# KiCad board RUSP_Mainboard_panelMockup.kicad_pcb (continued)
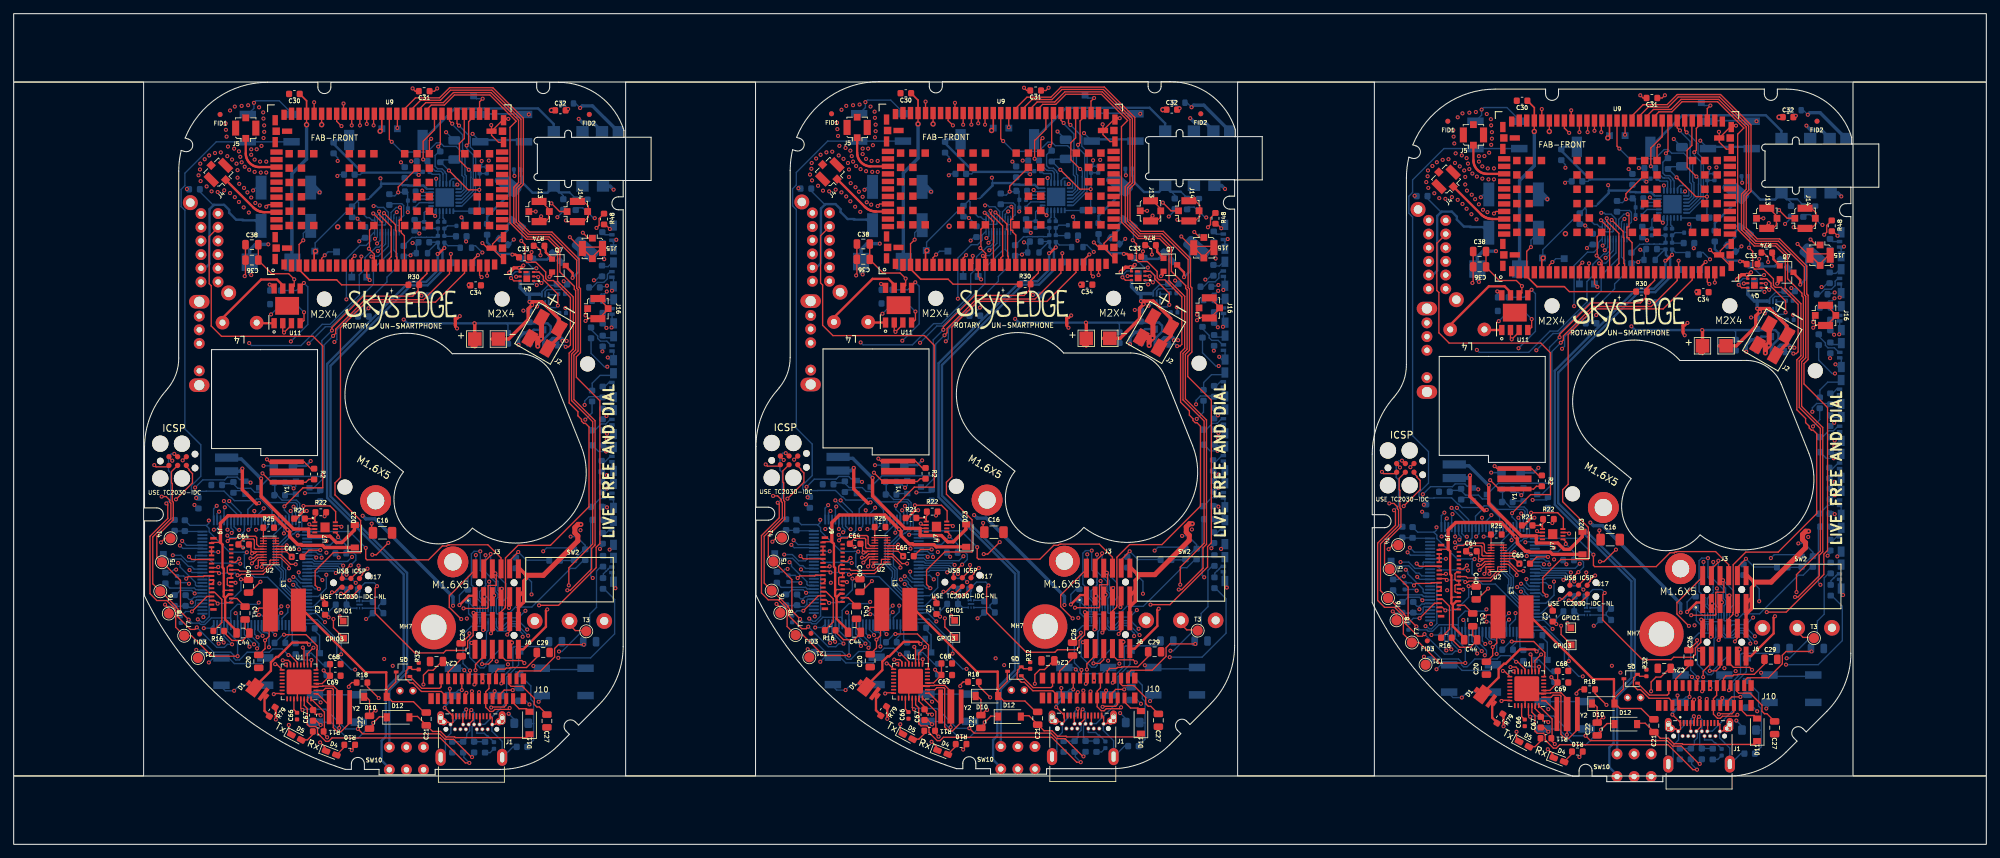
[diagram p0: board, top side]
## Nets (continued)
VBUS: C12.1 C12#2.1 C12#3.1 C67.1 C67#2.1 C67#3.1 J6.3 J6#2.3 J6#3.3 L1.2 L1#2.2 L1#3.2 R17.2 R17#2.2 R17#3.2 U1.31 U1#2.31 U1#3.31 U5.4 U5#2.4 U5#3.4
+BATT: C13.2 C13#2.2 C13#3.2 J2.2 J2#2.2 J2#3.2 J3.11 J3.12 J3#2.11 J3#2.12 J3#3.11 J3#3.12 J6.12 J6#2.12 J6#3.12 R12.1 R12#2.1 R12#3.1 SW9.2 SW9#2.2 SW9#3.2 TP2.1 TP2#2.1 TP2#3.1 U5.3 U5#2.3 U5#3.3
/AREF: C2.1 C2#2.1 C2#3.1 U4.98 U4#2.98 U4#3.98
/AUDIO/BLCK: U9.52 U9#2.52 U9#3.52 U12.18 U12#2.18 U12#3.18
/AUDIO/LRCLK: U9.50 U9#2.50 U9#3.50 U12.17 U12#2.17 U12#3.17
/AUDIO/MCLK: U9.61 U9#2.61 U9#3.61 U12.14 U12#2.14 U12#3.14
/AUDIO/SCL: R37.2 R37#2.2 R37#3.2 U9.54 U9#2.54 U9#3.54 U12.10 U12#2.10 U12#3.10
/AUDIO/SDA: R36.2 R36#2.2 R36#3.2 U9.55 U9#2.55 U9#3.55 U12.9 U12#2.9 U12#3.9
/AUDIO/SDIN: U9.51 U9#2.51 U9#3.51 U12.16 U12#2.16 U12#3.16
/AUDIO/SDOUT: U9.53 U9#2.53 U9#3.53 U12.15 U12#2.15 U12#3.15
/CELL MODEM/ANT1: J5.1 J5#2.1 J5#3.1 U9.81 U9#2.81 U9#3.81
/CELL MODEM/ANT2: J4.1 J4#2.1 J4#3.1 U9.87 U9#2.87 U9#3.87
/CELL MODEM/CTS_1v8: U9.15 U9#2.15 U9#3.15 U10.3 U10#2.3 U10#3.3
/CELL MODEM/DCD_1v8: T9.1 T9#2.1 T9#3.1 U9.12 U9#2.12 U9#3.12
/CELL MODEM/DSR_1v8: T2.1 T2#2.1 T2#3.1 U9.10 U9#2.10 U9#3.10
/CELL MODEM/HOST_SELECT0: T10.1 T10#2.1 T10#3.1 U9.26 U9#2.26 U9#3.26
/CELL MODEM/HOST_SELECT1: T11.1 T11#2.1 T11#3.1 U9.62 U9#2.62 U9#3.62
/CELL MODEM/RI_1v8: U9.11 U9#2.11 U9#3.11 U10.8 U10#2.8 U10#3.8
/CELL MODEM/RTS_1v8: U9.14 U9#2.14 U9#3.14 U10.2 U10#2.2 U10#3.2
/CELL MODEM/RXD_1v8: U9.17 U9#2.17 U9#3.17 U10.7 U10#2.7 U10#3.7
/CELL MODEM/SDIO-CLK: J14.1 J14#2.1 J14#3.1 U9.64 U9#2.64 U9#3.64
/CELL MODEM/SDIO-CMD: J14.2 J14#2.2 J14#3.2 U9.65 U9#2.65 U9#3.65
/CELL MODEM/SDIO-D0: J13.1 J13#2.1 J13#3.1 U9.66 U9#2.66 U9#3.66
/CELL MODEM/SDIO-D1: J13.2 J13#2.2 J13#3.2 U9.68 U9#2.68 U9#3.68
/CELL MODEM/SDIO-D2: J15.1 J15#2.1 J15#3.1 U9.63 U9#2.63 U9#3.63
/CELL MODEM/SDIO-D3: J15.2 J15#2.2 J15#3.2 U9.67 U9#2.67 U9#3.67
/CELL MODEM/TXD_1v8: U9.16 U9#2.16 U9#3.16 U10.4 U10#2.4 U10#3.4
/CELL MODEM/USB_D+: J16.1 J16#2.1 J16#3.1 U9.28 U9#2.28 U9#3.28
/CELL MODEM/USB_D-: J16.2 J16#2.2 J16#3.2 U9.27 U9#2.27 U9#3.27
/CELL MODEM/V_BCKP: C37.1 C37#2.1 C37#3.1 R30.1 R30#2.1 R30#3.1 U9.3 U9#2.3 U9#3.3
/CELL_CTS: U4.94 U4#2.94 U4#3.94 U10.18 U10#2.18 U10#3.18
/CELL_ON: R41.1 R41#2.1 R41#3.1 R65.2 R65#2.2 R65#3.2 U4.97 U4#2.97 U4#3.97
/CELL_PWR_DET: U4.95 U4#2.95 U4#3.95 U10.20 U10#2.20 U10#3.20
/CELL_RESET: R34.1 R34#2.1 R34#3.1 R40.2 R40#2.2 R40#3.2 U4.96 U4#2.96 U4#3.96
/CELL_RI: U4.18 U4#2.18 U4#3.18 U10.13 U10#2.13 U10#3.13
/CELL_RTS: U4.93 U4#2.93 U4#3.93 U10.19 U10#2.19 U10#3.19
/CELL_RXD: U4.45 U4#2.45 U4#3.45 U10.14 U10#2.14 U10#3.14
/CELL_TXD: U4.46 U4#2.46 U4#3.46 U10.17 U10#2.17 U10#3.17
/EPAPER DRIVER/EPD_CS_3v3: J10.12 J10#2.12 J10#3.12 U8.3 U8#2.3 U8#3.3
/EPAPER DRIVER/EPD_DC_3v3: J10.11 J10#2.11 J10#3.11 U8.4 U8#2.4 U8#3.4
/EPAPER DRIVER/EPD_MOSI_3v3: J10.14 J10#2.14 J10#3.14 U8.2 U8#2.2 U8#3.2
/EPAPER DRIVER/EPD_RES_3v3: J10.10 J10#2.10 J10#3.10 U8.7 U8#2.7 U8#3.7
/EPAPER DRIVER/EPD_SCK_3v3: J10.13 J10#2.13 J10#3.13 U8.1 U8#2.1 U8#3.1
/EPAPER DRIVER/GDR: J10.2 J10#2.2 J10#3.2 Q5.1 Q5#2.1 Q5#3.1
/EPAPER DRIVER/PREVGH: C22.2 C22#2.2 C22#3.2 D10.1 D10#2.1 D10#3.1 J10.21 J10#2.21 J10#3.21
/EPAPER DRIVER/PREVGL: D11.2 D11#2.2 D11#3.2 J10.23 J10#2.23 J10#3.23
/EPAPER DRIVER/RESE: J10.3 J10#2.3 J10#3.3 Q5.2 Q5#2.2 Q5#3.2 R32.1 R32#2.1 R32#3.1
/EPAPER DRIVER/VCOM: C28.1 C28#2.1 C28#3.1 J10.24 J10#2.24 J10#3.24
/EPAPER DRIVER/VGH: C24.1 C24#2.1 C24#3.1 J10.5 J10#2.5 J10#3.5
/EPAPER DRIVER/VGL: C26.1 C26#2.1 C26#3.1 J10.4 J10#2.4 J10#3.4
/EPAPER DRIVER/VPP: C25.1 C25#2.1 C25#3.1 J10.19 J10#2.19 J10#3.19
/EPAPER DRIVER/VSH: C23.1 C23#2.1 C23#3.1 J10.20 J10#2.20 J10#3.20
/EPAPER DRIVER/VSL: C27.1 C27#2.1 C27#3.1 J10.22 J10#2.22 J10#3.22
/EPD_BUSY: J10.9 J10#2.9 J10#3.9 U4.71 U4#2.71 U4#3.71
/EPD_CS: R26.2 R26#2.2 R26#3.2 U4.75 U4#2.75 U4#3.75 U8.18 U8#2.18 U8#3.18
/EPD_DC: U4.74 U4#2.74 U4#3.74 U8.17 U8#2.17 U8#3.17
/EPD_RESET: R27.2 R27#2.2 R27#3.2 U4.72 U4#2.72 U4#3.72 U8.14 U8#2.14 U8#3.14
/GPIO1: GPIO1.1 GPIO1#2.1 GPIO1#3.1 U4.5 U4#2.5 U4#3.5
/GPIO3: GPIO3.1 GPIO3#2.1 GPIO3#3.1 U4.7 U4#2.7 U4#3.7
/GPIO4: GPIO4.1 GPIO4#2.1 GPIO4#3.1 U4.39 U4#2.39 U4#3.39
/LED_1A: R49.2 R49#2.2 R49#3.2 U4.17 U4#2.17 U4#3.17
/LED_1R: R50.2 R50#2.2 R50#3.2 U4.16 U4#2.16 U4#3.16
/LED_2A: R51.2 R51#2.2 R51#3.2 U4.15 U4#2.15 U4#3.15
/LED_2R: R52.2 R52#2.2 R52#3.2 U4.13 U4#2.13 U4#3.13
/LED_3A: R53.2 R53#2.2 R53#3.2 U4.12 U4#2.12 U4#3.12
/LED_3R: R54.2 R54#2.2 R54#3.2 U4.52 U4#2.52 U4#3.52
/LED_4A: R45.2 R45#2.2 R45#3.2 U4.42 U4#2.42 U4#3.42
/LED_4R: R46.2 R46#2.2 R46#3.2 U4.91 U4#2.91 U4#3.91
/LED_5A: R63.2 R63#2.2 R63#3.2 U4.90 U4#2.90 U4#3.90
/LED_5R: R64.2 R64#2.2 R64#3.2 U4.89 U4#2.89 U4#3.89
/LED_6A: R61.2 R61#2.2 R61#3.2 U4.88 U4#2.88 U4#3.88
/LED_6R: R62.2 R62#2.2 R62#3.2 U4.87 U4#2.87 U4#3.87
/LED_7A: R59.2 R59#2.2 R59#3.2 U4.86 U4#2.86 U4#3.86
/LED_7R: R60.2 R60#2.2 R60#3.2 U4.85 U4#2.85 U4#3.85
/LED_8A: R57.2 R57#2.2 R57#3.2 U4.83 U4#2.83 U4#3.83
/LED_8R: R58.2 R58#2.2 R58#3.2 U4.82 U4#2.82 U4#3.82
/LED_9A: R55.2 R55#2.2 R55#3.2 U4.63 U4#2.63 U4#3.63
/LED_9R: R56.2 R56#2.2 R56#3.2 U4.51 U4#2.51 U4#3.51
/LED_10A: R47.2 R47#2.2 R47#3.2 U4.64 U4#2.64 U4#3.64
/LED_10R: R48.2 R48#2.2 R48#3.2 U4.84 U4#2.84 U4#3.84
/LED_BELL: R78.2 R78#2.2 R78#3.2 U4.1 U4#2.1 U4#3.1
/LED_FILAMENT: R74.2 R74#2.2 R74#3.2 U4.38 U4#2.38 U4#3.38
/LED_STAT: R44.2 R44#2.2 R44#3.2 U4.37 U4#2.37 U4#3.37
/MCURX-TO-FTDITX: R8.2 R8#2.2 R8#3.2 U4.2 U4#2.2 U4#3.2
/MCUTX-TO-FTDIRX: R9.1 R9#2.1 R9#3.1 U4.3 U4#2.3 U4#3.3
/MISO: J3.5 J3#2.5 J3#3.5 J7.1 J7#2.1 J7#3.1 T6.1 T6#2.1 T6#3.1 U4.22 U4#2.22 U4#3.22
/MOSI: J3.4 J3#2.4 J3#3.4 J7.4 J7#2.4 J7#3.4 T7.1 T7#2.1 T7#3.1 U2.14 U2#2.14 U2#3.14 U4.21 U4#2.21 U4#3.21 U8.19 U8#2.19 U8#3.19
/NET_STAT: U4.92 U4#2.92 U4#3.92 U9.25 U9#2.25 U9#3.25
/OFFSIGNAL: SW9.8 SW9#2.8 SW9#3.8 U4.73 U4#2.73 U4#3.73
/OLED DRIVER/OLED_CS_3V3: J9.17 J9#2.17 J9#3.17 U2.1 U2#2.1 U2#3.1
/OLED DRIVER/OLED_DC_3V3: J9.19 J9#2.19 J9#3.19 U2.3 U2#2.3 U2#3.3
/OLED DRIVER/OLED_IREF: J9.7 J9#2.7 J9#3.7 R16.1 R16#2.1 R16#3.1
/OLED DRIVER/OLED_MOSI_3V3: J9.23 J9#2.23 J9#3.23 U2.7 U2#2.7 U2#3.7
/OLED DRIVER/OLED_RES_3V3: J9.18 J9#2.18 J9#3.18 U2.2 U2#2.2 U2#3.2
/OLED DRIVER/OLED_SCL_3V3: J9.22 J9#2.22 J9#3.22 U2.4 U2#2.4 U2#3.4
/OLED DRIVER/OLED_VCOMH: C41.1 C41#2.1 C41#3.1 J9.4 J9#2.4 J9#3.4
/OLED DRIVER/OLED_VLOGIC: C45.2 C45#2.2 C45#3.2 J9.5 J9#2.5 J9#3.5
/OLED DRIVER/OLED_VP: C40.1 C40#2.1 C40#3.1 J9.3 J9#2.3 J9#3.3
/OLED_CS: U2.20 U2#2.20 U2#3.20 U4.78 U4#2.78 U4#3.78
/OLED_DC: U2.18 U2#2.18 U2#3.18 U4.54 U4#2.54 U4#3.54
/OLED_RES: U2.19 U2#2.19 U2#3.19 U4.53 U4#2.53 U4#3.53
/PDn: J6.10 J6#2.10 J6#3.10 U4.8 U4#2.8 U4#3.8
/POWSW4: J3.9 J3#2.9 J3#3.9 SW9.4 SW9#2.4 SW9#3.4
/RELAY_OFF: J6.4 J6#2.4 J6#3.4 U4.55 U4#2.55 U4#3.55
/RESET: C1.1 C1#2.1 C1#3.1 C10.2 C10#2.2 C10#3.2 J7.5 J7#2.5 J7#3.5 R1.1 R1#2.1 R1#3.1 T8.1 T8#2.1 T8#3.1 U4.30 U4#2.30 U4#3.30
/RINGER+: R23.1 R23#2.1 R23#3.1 U4.43 U4#2.43 U4#3.43 U11.4 U11#2.4 U11#3.4
/RINGER-: R24.1 R24#2.1 R24#3.1 U4.44 U4#2.44 U4#3.44 U11.5 U11#2.5 U11#3.5
/SCK: J3.6 J3#2.6 J3#3.6 J7.3 J7#2.3 J7#3.3 T5.1 T5#2.1 T5#3.1 U2.17 U2#2.17 U2#3.17 U4.20 U4#2.20 U4#3.20 U8.20 U8#2.20 U8#3.20
/SD_CD: J3.7 J3#2.7 J3#3.7 U4.77 U4#2.77 U4#3.77
/SD_CS: J3.8 J3#2.8 J3#3.8 U4.76 U4#2.76 U4#3.76
/SIM_CLK: J6.8 J6#2.8 J6#3.8 U9.56 U9#2.56 U9#3.56
/SIM_IO: J6.9 J6#2.9 J6#3.9 U9.57 U9#2.57 U9#3.57
/SIM_RST: J6.7 J6#2.7 J6#3.7 U9.58 U9#2.58 U9#3.58
/SW_CLEAR: SW4.1 SW4#2.1 SW4#3.1 U4.67 U4#2.67 U4#3.67
/SW_HOOK: SW7.1 SW7#2.1 SW7#3.1 U4.68 U4#2.68 U4#3.68
/SW_MODE1: SW1.4 SW1#2.4 SW1#3.4 U4.58 U4#2.58 U4#3.58
/SW_MODE2: SW1.3 SW1#2.3 SW1#3.3 U4.59 U4#2.59 U4#3.59
/SW_MODE3: SW1.1 SW1#2.1 SW1#3.1 U4.60 U4#2.60 U4#3.60
/SW_MULTI1: SW3.1 SW3#2.1 SW3#3.1 U4.23 U4#2.23 U4#3.23
/SW_MULTI2: SW6.1 SW6#2.1 SW6#3.1 U4.25 U4#2.25 U4#3.25
/SW_MULTI3: SW5.1 SW5#2.1 SW5#3.1 U4.24 U4#2.24 U4#3.24
/SW_MULTI4: SW8.1 SW8#2.1 SW8#3.1 U4.26 U4#2.26 U4#3.26
/SW_ROTARY: SW2.2 SW2#2.2 SW2#3.2 T3.1 T3#2.1 T3#3.1 U4.6 U4#2.6 U4#3.6
/USB PORT AND BRIDGE/16U2_MISO: J17.1 J17#2.1 J17#3.1 U1.17 U1#2.17 U1#3.17
/USB PORT AND BRIDGE/16U2_MOSI: J17.4 J17#2.4 J17#3.4 U1.16 U1#2.16 U1#3.16
/USB PORT AND BRIDGE/16U2_RESET: J17.5 J17#2.5 J17#3.5 R18.1 R18#2.1 R18#3.1 U1.24 U1#2.24 U1#3.24
/USB PORT AND BRIDGE/16U2_SCK: J17.3 J17#2.3 J17#3.3 U1.15 U1#2.15 U1#3.15
/USB PORT AND BRIDGE/FTDI-RESET: C10.1 C10#2.1 C10#3.1 U1.13 U1#2.13 U1#3.13
/USB PORT AND BRIDGE/FTDI-RX: R9.2 R9#2.2 R9#3.2 U1.8 U1#2.8 U1#3.8
/USB PORT AND BRIDGE/FTDI-TX: R8.1 R8#2.1 R8#3.1 U1.9 U1#2.9 U1#3.9
/VSIM: J6.6 J6#2.6 J6#3.6 U9.59 U9#2.59 U9#3.59
LL_OE: J6.5 J6#2.5 J6#3.5 R29.2 R29#2.2 R29#3.2 U2.6 U2#2.6 U2#3.6 U8.6 U8#2.6 U8#3.6 U10.6 U10#2.6 U10#3.6
Net-(C7-Pad1): C7.1 C7#2.1 C7#3.1 D3.1 D3#2.1 D3#3.1 L1.1 L1#2.1 L1#3.1
Net-(C8-Pad1): C8.1 C8#2.1 C8#3.1 J1.A7 J1.B7 J1#2.A7 J1#2.B7 J1#3.A7 J1#3.B7 R7.2 R7#2.2 R7#3.2
Net-(C9-Pad1): C9.1 C9#2.1 C9#3.1 J1.A6 J1.B6 J1#2.A6 J1#2.B6 J1#3.A6 J1#3.B6 R6.2 R6#2.2 R6#3.2
Net-(C11-Pad1): C11.1 C11#2.1 C11#3.1 R12.2 R12#2.2 R12#3.2 U3.5 U3#2.5 U3#3.5
Net-(C11-Pad2): C11.2 C11#2.2 C11#3.2 J2.1 J2#2.1 J2#3.1 Q3.4 Q3#2.4 Q3#3.4 TP1.1 TP1#2.1 TP1#3.1 U3.4 U3#2.4 U3#3.4
Net-(C14-Pad1): C14.1 C14#2.1 C14#3.1 R20.2 R20#2.2 R20#3.2 SW9.5 SW9#2.5 SW9#3.5
Net-(C21-Pad1): C21.1 C21#2.1 C21#3.1 D11.1 D11#2.1 D11#3.1 D12.2 D12#2.2 D12#3.2
Net-(C21-Pad2): C21.2 C21#2.2 C21#3.2 D10.2 D10#2.2 D10#3.2 L3.2 L3#2.2 L3#3.2 Q5.3 Q5#2.3 Q5#3.3
Net-(C46-Pad1): C46.1 C46#2.1 C46#3.1 D15.1 D15#2.1 D15#3.1 L5.2 L5#2.2 L5#3.2 SW10.1 SW10#2.1 SW10#3.1
Net-(C47-Pad1): C47.1 C47#2.1 C47#3.1 D16.1 D16#2.1 D16#3.1 L6.2 L6#2.2 L6#3.2 SW10.4 SW10#2.4 SW10#3.4
Net-(C48-Pad1): C48.1 C48#2.1 C48#3.1 C51.2 C51#2.2 C51#3.2 L5.1 L5#2.1 L5#3.1 R35.1 R35#2.1 R35#3.1
Net-(C49-Pad1): C49.1 C49#2.1 C49#3.1 C52.2 C52#2.2 C52#3.2 L6.1 L6#2.1 L6#3.1 R38.1 R38#2.1 R38#3.1
Net-(C50-Pad1): C50.1 C50#2.1 C50#3.1 R38.2 R38#2.2 R38#3.2 U12.1 U12#2.1 U12#3.1
Net-(C51-Pad1): C51.1 C51#2.1 C51#3.1 U12.22 U12#2.22 U12#3.22
Net-(C52-Pad1): C52.1 C52#2.1 C52#3.1 U12.23 U12#2.23 U12#3.23
Net-(C53-Pad1): C53.1 C53#2.1 C53#3.1 U12.3 U12#2.3 U12#3.3
Net-(C54-Pad1): C54.1 C54#2.1 C54#3.1 U12.4 U12#2.4 U12#3.4
Net-(C55-Pad1): C55.1 C55#2.1 C55#3.1 U12.2 U12#2.2 U12#3.2
Net-(C60-Pad1): C60.1 C60#2.1 C60#3.1 C62.1 C62#2.1 C62#3.1 D17.1 D17#2.1 D17#3.1 J8.2 J8#2.2 J8#3.2 L7.1 L7#2.1 L7#3.1
Net-(C61-Pad1): C61.1 C61#2.1 C61#3.1 C63.1 C63#2.1 C63#3.1 D18.1 D18#2.1 D18#3.1 J8.1 J8#2.1 J8#3.1 L8.1 L8#2.1 L8#3.1 LS1.2 LS1#2.2 LS1#3.2 MK1.1 MK1#2.1 MK1#3.1 SW10.5 SW10#2.5 SW10#3.5
Net-(C66-Pad1): C66.1 C66#2.1 C66#3.1 U1.27 U1#2.27 U1#3.27
Net-(D1-Pad1): D1.1 D1#2.1 D1#3.1 Q6.3 Q6#2.3 Q6#3.3
Net-(D1-Pad2): D1.2 D1#2.2 D1#3.2 R79.1 R79#2.1 R79#3.1
Net-(D2-Pad1): D2.1 D2#2.1 D2#3.1 U5.1 U5#2.1 U5#3.1
Net-(D2-Pad2): D2.2 D2#2.2 D2#3.2 R17.1 R17#2.1 R17#3.1
Net-(D3-Pad2): D3.2 D3#2.2 D3#3.2 J1.A4 J1.A9 J1.B4 J1.B9 J1#2.A4 J1#2.A9 J1#2.B4 J1#2.B9 J1#3.A4 J1#3.A9 J1#3.B4 J1#3.B9
Net-(D4-Pad1): D4.1 D4#2.1 D4#3.1 U1.10 U1#2.10 U1#3.10
Net-(D4-Pad2): D4.2 D4#2.2 D4#3.2 R10.2 R10#2.2 R10#3.2
Net-(D5-Pad1): D5.1 D5#2.1 D5#3.1 U1.11 U1#2.11 U1#3.11
Net-(D5-Pad2): D5.2 D5#2.2 D5#3.2 R11.2 R11#2.2 R11#3.2
Net-(D6-Pad1): D6.1 D6#2.1 D6#3.1 Q7.3 Q7#2.3 Q7#3.3
Net-(D6-Pad2): D6.2 D6#2.2 D6#3.2 R15.1 R15#2.1 R15#3.1
Net-(D22-Pad2): D22.2 D22#2.2 D22#3.2 R44.1 R44#2.1 R44#3.1
Net-(D23-Pad2): D23.2 D23#2.2 D23#3.2 L2.2 L2#2.2 L2#3.2 U7.3 U7#2.3 U7#3.3
Net-(D25-Pad1): D25.1 D25#2.1 D25#3.1 R45.1 R45#2.1 R45#3.1
Net-(D25-Pad3): D25.3 D25#2.3 D25#3.3 R46.1 R46#2.1 R46#3.1
Net-(D26-Pad1): D26.1 D26#2.1 D26#3.1 R47.1 R47#2.1 R47#3.1
Net-(D26-Pad3): D26.3 D26#2.3 D26#3.3 R48.1 R48#2.1 R48#3.1
Net-(D27-Pad1): D27.1 D27#2.1 D27#3.1 R49.1 R49#2.1 R49#3.1
Net-(D27-Pad3): D27.3 D27#2.3 D27#3.3 R50.1 R50#2.1 R50#3.1
Net-(D28-Pad1): D28.1 D28#2.1 D28#3.1 R51.1 R51#2.1 R51#3.1
Net-(D28-Pad3): D28.3 D28#2.3 D28#3.3 R52.1 R52#2.1 R52#3.1
Net-(D29-Pad1): D29.1 D29#2.1 D29#3.1 R53.1 R53#2.1 R53#3.1
Net-(D29-Pad3): D29.3 D29#2.3 D29#3.3 R54.1 R54#2.1 R54#3.1
Net-(D30-Pad1): D30.1 D30#2.1 D30#3.1 R55.1 R55#2.1 R55#3.1
Net-(D30-Pad3): D30.3 D30#2.3 D30#3.3 R56.1 R56#2.1 R56#3.1
Net-(D31-Pad1): D31.1 D31#2.1 D31#3.1 R57.1 R57#2.1 R57#3.1
Net-(D31-Pad3): D31.3 D31#2.3 D31#3.3 R58.1 R58#2.1 R58#3.1
Net-(D32-Pad1): D32.1 D32#2.1 D32#3.1 R59.1 R59#2.1 R59#3.1
Net-(D32-Pad3): D32.3 D32#2.3 D32#3.3 R60.1 R60#2.1 R60#3.1
Net-(D33-Pad1): D33.1 D33#2.1 D33#3.1 R61.1 R61#2.1 R61#3.1
Net-(D33-Pad3): D33.3 D33#2.3 D33#3.3 R62.1 R62#2.1 R62#3.1
Net-(D34-Pad1): D34.1 D34#2.1 D34#3.1 R63.1 R63#2.1 R63#3.1
Net-(D34-Pad3): D34.3 D34#2.3 D34#3.3 R64.1 R64#2.1 R64#3.1
Net-(J1-PadA5): J1.A5 J1#2.A5 J1#3.A5 R5.1 R5#2.1 R5#3.1
Net-(J1-PadB5): J1.B5 J1#2.B5 J1#3.B5 R4.1 R4#2.1 R4#3.1
Net-(J8-Pad4): J8.4 J8#2.4 J8#3.4 SW10.2 SW10#2.2 SW10#3.2
Net-(J8-Pad10): J8.10 J8#2.10 J8#3.10 LS1.1 LS1#2.1 LS1#3.1
Net-(J8-Pad12): J8.12 J8#2.12 J8#3.12 MK1.2 MK1#2.2 MK1#3.2
Net-(L4-Pad1): L4.1 L4#2.1 L4#3.1 U11.1 U11#2.1 U11#3.1
Net-(L4-Pad2): L4.2 L4#2.2 L4#3.2 U11.7 U11#2.7 U11#3.7
Net-(L7-Pad2): L7.2 L7#2.2 L7#3.2 U12.7 U12#2.7 U12#3.7
Net-(L8-Pad2): L8.2 L8#2.2 L8#3.2 U12.8 U12#2.8 U12#3.8
Net-(Q1-Pad1): Q1.1 Q1#2.1 Q1#3.1 R40.1 R40#2.1 R40#3.1
Net-(Q1-Pad3): Q1.3 Q1#2.3 Q1#3.3 T15.1 T15#2.1 T15#3.1 U9.23 U9#2.23 U9#3.23
Net-(Q2-Pad1): Q2.1 Q2#2.1 Q2#3.1 R65.1 R65#2.1 R65#3.1
Net-(Q2-Pad3): Q2.3 Q2#2.3 Q2#3.3 R30.2 R30#2.2 R30#3.2 T14.1 T14#2.1 T14#3.1 U9.20 U9#2.20 U9#3.20
Net-(Q3-Pad1): Q3.1 Q3#2.1 Q3#3.1 Q4.1 Q4#2.1 Q4#3.1
Net-(Q3-Pad2): Q3.2 Q3#2.2 Q3#3.2 Q4.2 Q4#2.2 Q4#3.2
Net-(Q3-Pad3): Q3.3 Q3#2.3 Q3#3.3 U3.3 U3#2.3 U3#3.3
Net-(Q3-Pad5): Q3.5 Q3#2.5 Q3#3.5 Q4.5 Q4#2.5 Q4#3.5
Net-(Q3-Pad6): Q3.6 Q3#2.6 Q3#3.6 Q4.6 Q4#2.6 Q4#3.6
Net-(Q4-Pad3): Q4.3 Q4#2.3 Q4#3.3 U3.2 U3#2.2 U3#3.2
Net-(Q6-Pad1): Q6.1 Q6#2.1 Q6#3.1 R78.1 R78#2.1 R78#3.1
Net-(Q7-Pad1): Q7.1 Q7#2.1 Q7#3.1 R74.1 R74#2.1 R74#3.1
Net-(R2-Pad1): R2.1 R2#2.1 R2#3.1 R3.1 R3#2.1 R3#3.1 Y1.3 Y1#2.3 Y1#3.3
Net-(R2-Pad2): R2.2 R2#2.2 R2#3.2 U4.34 U4#2.34 U4#3.34 Y1.1 Y1#2.1 Y1#3.1
Net-(R3-Pad2): R3.2 R3#2.2 R3#3.2 U4.33 U4#2.33 U4#3.33
Net-(R6-Pad1): R6.1 R6#2.1 R6#3.1 U1.29 U1#2.29 U1#3.29
Net-(R7-Pad1): R7.1 R7#2.1 R7#3.1 U1.30 U1#2.30 U1#3.30
Net-(R13-Pad2): R13.2 R13#2.2 R13#3.2 U3.6 U3#2.6 U3#3.6
Net-(R14-Pad2): R14.2 R14#2.2 R14#3.2 U5.5 U5#2.5 U5#3.5
Net-(R19-Pad1): R19.1 R19#2.1 R19#3.1 R73.2 R73#2.2 R73#3.2 U6.4 U6#2.4 U6#3.4
Net-(R20-Pad1): R20.1 R20#2.1 R20#3.1 SW9.3 SW9#2.3 SW9#3.3
Net-(R21-Pad2): R21.2 R21#2.2 R21#3.2 R22.1 R22#2.1 R22#3.1 U7.1 U7#2.1 U7#3.1
Net-(R25-Pad1): R25.1 R25#2.1 R25#3.1 U2.8 U2.9 U2.10 U2.11 U2.12 U2.13 U2#2.8 U2#2.9 U2#2.10 U2#2.11 U2#2.12 U2#2.13 U2#3.8 U2#3.9 U2#3.10 U2#3.11 U2#3.12 U2#3.13
Net-(R28-Pad1): R28.1 R28#2.1 R28#3.1 R29.1 R29#2.1 R29#3.1 U4.50 U4#2.50 U4#3.50
Net-(R33-Pad1): R33.1 R33#2.1 R33#3.1 U10.9 U10.10 U10.11 U10.12 U10#2.9 U10#2.10 U10#2.11 U10#2.12 U10#3.9 U10#3.10 U10#3.11 U10#3.12
Net-(R39-Pad2): R39.2 R39#2.2 R39#3.2 U12.19 U12#2.19 U12#3.19
Net-(R75-Pad1): R75.1 R75#2.1 R75#3.1 U8.8 U8.9 U8.10 U8.11 U8.12 U8.13 U8#2.8 U8#2.9 U8#2.10 U8#2.11 U8#2.12 U8#2.13 U8#3.8 U8#3.9 U8#3.10 U8#3.11 U8#3.12 U8#3.13
Net-(RSVD1-Pad1): RSVD1.1 RSVD1#2.1 RSVD1#3.1 U9.49 U9#2.49 U9#3.49
Net-(T13-Pad1): T13.1 T13#2.1 T13#3.1 U9.60 U9#2.60 U9#3.60
Net-(U1-Pad1): U1.1 U1#2.1 U1#3.1 Y2.1 Y2#2.1 Y2#3.1
Net-(U1-Pad2): U1.2 U1#2.2 U1#3.2 Y2.3 Y2#2.3 Y2#3.3

Pads without a net: FID1 ~; FID1#2 ~; FID1#3 ~; FID2 ~; FID2#2 ~; FID2#3 ~; FID3 ~; FID3#2 ~; FID3#3 ~; FID4 ~; FID4#2 ~; FID4#3 ~; FID5 ~; FID5#2 ~; FID5#3 ~; FID6 ~; FID6#2 ~; FID6#3 ~; J1 A2 A3 A8 A10 A11 B2 B3 B8 B10 B11; J1#2 A2 A3 A8 A10 A11 B2 B3 B8 B10 B11; J1#3 A2 A3 A8 A10 A11 B2 B3 B8 B10 B11; J8 3 11; J8#2 3 11; J8#3 3 11; J9 1 9 30; J9#2 1 9 30; J9#3 1 9 30; J10 1 6 7; J10#2 1 6 7; J10#3 1 6 7; MH7 1; MH7#2 1; MH7#3 1; MH9 1; MH9#2 1; MH9#3 1; MH10 1; MH10#2 1; MH10#3 1; Q3 7 8; Q3#2 7 8; Q3#3 7 8; Q4 7 8; Q4#2 7 8; Q4#3 7 8; SW2 3; SW2#2 3; SW2#3 3; SW9 1 6 7 10 11 12; SW9#2 1 6 7 10 11 12; SW9#3 1 6 7 10 11 12; SW10 3 6; SW10#2 3 6; SW10#3 3 6; U1 5 6 7 12 14 18 19 20 21 22 23 25 26; U1#2 5 6 7 12 14 18 19 20 21 22 23 25 26; U1#3 5 6 7 12 14 18 19 20 21 22 23 25 26; U3 1; U3#2 1; U3#3 1; U4 4 9 14 19 27 28 29 35 36 40 41 47 48 49 65 66 69 70 79; U4#2 4 9 14 19 27 28 29 35 36 40 41 47 48 49 65 66 69 70 79; U4#3 4 9 14 19 27 28 29 35 36 40 41 47 48 49 65 66 69 70 79; U6 5; U6#2 5; U6#3 5; U7 4 6; U7#2 4 6; U7#3 4 6; U9 1 4 7 8 9 18 19 21 22 24 29 31 33 34 35 36 37 38 39 40 41 42 43 45 47 48 75 77 84 91; U9#2 1 4 7 8 9 18 19 21 22 24 29 31 33 34 35 36 37 38 39 40 41 42 43 45 47 48 75 77 84 91; U9#3 1 4 7 8 9 18 19 21 22 24 29 31 33 34 35 36 37 38 39 40 41 42 43 45 47 48 75 77 84 91; U11 9; U11#2 9; U11#3 9; U12 20 21 25; U12#2 20 21 25; U12#3 20 21 25

## Via types
v1: diameter 0.6, hole 0.3, L1_GND+GNDA.Cu to L6_GND.Cu, 1428 vias
v2: diameter 0.8, hole 0.4, L1_GND+GNDA.Cu to L6_GND.Cu, 18 vias

## Routing (per net, layer and track width the routed paths; a pad name or vN(x,y) marks a point on that pad's centre or on a via; arc(x,y) is an arc through that point)
+1V8: length 444.9
  L1_GND+GNDA.Cu w0.2: v1(247.64,94.74) 246.03,94.74 v1(243.2,97.57) ; v1(157.51,95.83) 155.9,95.83 v1(153.07,98.66) ; v1(68.09,95.73) 66.48,95.73 v1(63.65,98.56)
  L1_GND+GNDA.Cu w0.25: v2(44.14,86.76) 43.94,86.56 U9.5 ; v2(133.56,86.86) 133.36,86.66 U9#3.5 ; U9#2.5 223.49,85.57 v2(223.69,85.77)
  L1_GND+GNDA.Cu w0.35: v1(78.04,34.36) 77.84,34.16 77.84,31.83 74.53,28.53 J6.11 ; J6#3.11 254.08,27.53 257.39,30.84 257.39,33.17 v1(257.59,33.37) ; v1(167.46,34.46) 167.26,34.26 167.26,31.93 163.96,28.63 J6#2.11
  L2_3v3+GNDA.Cu w0.2: v1(147.56,100.01) 145.06,97.51 v1(143.06,97.51) ; v1(53.64,97.41) 55.64,97.41 v1(58.14,99.91) ; v1(237.69,98.92) 235.19,96.42 v1(233.19,96.42)
  L2_3v3+GNDA.Cu w0.35: v1(153.07,98.66) 152.82,98.91 148.66,98.91 v1(147.56,100.01) ; v1(237.69,98.92) 238.79,97.82 242.95,97.82 v1(243.2,97.57) ; v1(63.65,98.56) 63.4,98.81 59.24,98.81 v1(58.14,99.91)
  L4_GND.Cu w0.35: v1(68.09,95.73) 68.51,95.73 78.99,85.26 78.99,79.49 78.86,79.36 78.86,73.64 82.42,70.09 82.42,69.63 83.31,68.74 83.76,68.74 84.97,67.53 84.97,40.17 79.16,34.36 v1(78.04,34.36) ; v1(247.64,94.74) 248.06,94.74 258.54,84.26 258.54,78.49 258.41,78.37 258.41,72.64 261.96,69.09 261.96,68.64 262.86,67.74 263.31,67.74 264.52,66.54 264.52,39.17 258.71,33.37 v1(257.59,33.37) ; v1(157.51,95.83) 157.94,95.83 168.41,85.36 168.41,79.59 168.29,79.46 168.29,73.74 171.84,70.19 171.84,69.73 172.73,68.84 173.19,68.84 174.39,67.63 174.39,40.27 168.59,34.46 v1(167.46,34.46)
  L6_GND.Cu w0.18: U10#3.5 233.94,89.7 ; 232.34,90.19 232.34,89.7 232.44,89.6 ; U10#2.5 143.81,90.79 ; 54.39,91.34 54.39,90.69 ; 52.79,91.18 52.79,90.69 52.89,90.59 ; 142.21,91.28 142.21,90.79 142.31,90.69
  L6_GND.Cu w0.2: 68.19,98.11 68.21,98.13 69.14,98.13 ; U12.6 60.44,95.86 ; 52.79,91.46 52.79,91.06 ; 63.79,96.61 63.79,97 64.15,97.36 64.59,97.36 ; 233.94,89.7 233.91,89.67 233.89,89.67 233.89,89.65 233.84,89.6 232.44,89.6 ; 223.66,85.72 223.64,85.69 223.64,86.98 228.86,92.2 ; R37#2.1 151.86,99.87 v1(153.07,98.66) 154.01,97.72 154.01,97.46 ; v1(147.56,100.01) 147.56,100.01 R36#3.1 ; 243.74,99.12 242.39,99.12 242.14,98.87 ; C39#3.1 229.8,93.07 ; 229.8,93.07 230.1,93.37 231.39,93.37 231.44,93.42 231.49,93.42 231.76,93.69 ; 229.8,93.07 229.99,92.88 229.99,91.87 231.18,90.67 231.58,90.67 231.96,90.3 U10#3.1 ; R37.1 62.44,99.77 v1(63.65,98.56) 64.59,97.62 64.59,97.36 ; 244.14,96.37 244.14,96.63 v1(243.2,97.57) 241.99,98.78 R37#3.1 ; 244.14,96.37 243.7,96.37 243.34,96.01 243.34,95.62 ; 244.14,96.37 244.45,96.37 244.99,95.83 244.99,94.87 U12#2.13 ; U12#3.6 149.86,95.96 ; v1(233.19,96.42) 233.28,96.33 233.28,95.63 ; 146.08,96.72 146.61,97.26 C56#3.1 ; 64.59,97.36 64.9,97.36 65.44,96.82 65.44,95.86 U12.13 ; 52.22,94.69 51.94,94.41 51.89,94.41 51.84,94.36 50.55,94.36 50.25,94.06 ; 142.31,90.69 143.71,90.69 143.76,90.74 143.76,90.76 143.78,90.76 143.81,90.79 ; 248.69,97.13 247.75,97.13 247.74,97.12 ; U10.1 52.41,91.29 52.04,91.67 51.64,91.67 50.44,92.86 50.44,93.87 50.25,94.06 ; 157.61,98.21 157.63,98.23 158.56,98.23 ; 64.19,100.11 62.84,100.11 62.59,99.86 ; v1(58.14,99.91) 58.14,99.91 R36.1 ; 50.25,94.06 C39.1 ; 143.15,96.72 143.15,97.42 v1(143.06,97.51) ; 44.12,86.71 44.09,86.69 44.09,87.97 49.31,93.2 ; 141.64,94.79 141.36,94.51 141.31,94.51 141.26,94.46 139.97,94.46 139.67,94.16 ; 138.73,93.3 133.51,88.07 133.51,86.79 133.54,86.81 ; 139.67,94.16 139.86,93.97 139.86,92.96 141.06,91.77 141.46,91.77 141.83,91.39 U10#2.1 ; 139.67,94.16 C39#2.1 ; 53.73,96.62 53.73,97.32 v1(53.64,97.41) ; 153.61,100.21 152.26,100.21 152.01,99.96 ; 153.21,96.71 153.21,97.11 153.57,97.46 154.01,97.46 ; 52.89,90.59 54.29,90.59 54.34,90.64 54.34,90.66 54.36,90.66 54.39,90.69 ; C58.1 68.14,95.78 v1(68.09,95.73) 68.09,93.16 68.44,92.81 ; U12#2.6 239.99,94.87 ; 247.99,91.82 247.64,92.17 v1(247.64,94.74) 247.69,94.79 C58#3.1 ; 157.86,92.91 157.51,93.26 v1(157.51,95.83) 157.56,95.88 C58#2.1 ; 232.34,90.47 232.34,90.07 ; 142.21,91.56 142.21,91.16 ; U12#3.13 154.86,95.96 154.86,96.92 154.32,97.46 154.01,97.46 ; R36#2.1 v1(237.69,98.92) ; C56.1 57.19,97.16 56.65,96.62 ; 236.2,95.63 236.74,96.16 C56#2.1
  L6_GND.Cu w0.35: 141.56,94.76 143.15,96.35 143.15,96.72 146.08,96.72 146.29,96.51 147.11,96.51 ; 237.19,95.37 239.49,95.37 239.99,94.87 ; 237.24,95.42 236.41,95.42 236.2,95.63 233.28,95.63 233.28,95.26 231.69,93.67 ; 147.06,96.46 149.36,96.46 149.86,95.96 ; 60.44,95.86 59.94,96.36 57.64,96.36 ; 57.69,96.41 56.87,96.41 56.65,96.62 53.73,96.62 53.73,96.25 52.14,94.66
+3V3: length 340.6
  L1_GND+GNDA.Cu w0.18: v1(40.63,41.98) 40.66,42.02 C65#2.1 39.94,42.78 U2#2.5 ; v1(130.05,42.09) 130.09,42.12 C65#3.1 129.36,42.88 U2#3.5 ; U2.5 219.48,41.79 C65.1 220.21,41.03 v1(220.17,40.99)
  L1_GND+GNDA.Cu w0.2: 69.04,21.34 69.04,20.03 69.63,19.44 70.07,19.44 70.37,19.74 72.34,19.74 v1(72.54,19.94) ; v1(246.8,32.87) 247.04,32.62 247.04,31.77 ; J10.15 69.04,22.31 69.51,22.79 69.51,24.24 ; v1(142.56,37.86) 142.29,37.59 142.29,33.9 148.09,28.1 152.28,28.1 152.64,28.46 155.41,28.46 155.81,28.86 155.81,29.83 156.62,30.64 156.62,32.43 J6#2.2 ; 126.59,34.66 125.32,34.66 v1(125.02,34.36) ; v1(32.44,38.26) 32.34,38.36 J9.12 ; 37.35,34.87 37.35,30.44 v1(36.76,29.85) 36.76,28.62 C20.2 ; v1(53.14,37.76) 52.87,37.49 52.87,33.8 58.67,28 62.86,28 63.22,28.36 65.99,28.36 66.39,28.76 66.39,29.73 67.2,30.54 67.2,32.33 J6.2 ; 249.06,23.24 249.06,21.79 248.59,21.32 J10#2.15 ; 158.94,24.34 158.94,22.89 158.46,22.41 J10#3.15 ; 216.71,33.57 215.45,33.57 v1(215.15,33.27) ; v1(156.67,33.96) 156.91,33.72 156.91,32.86 ; v1(121.86,38.36) 121.76,38.46 J9#3.12 ; J9#2.15 207.39,38.27 207.29,38.17 205.09,38.17 v1(204.79,37.87) ; v1(67.25,33.86) 67.49,33.62 67.49,32.76 ; J6#3.2 246.75,31.34 246.75,29.54 245.94,28.73 245.94,27.77 245.54,27.37 242.77,27.37 242.41,27 238.22,27 232.42,32.8 232.42,36.5 v1(232.69,36.77) ; 37.23,33.35 38.34,34.46 ; 216.9,33.88 216.9,29.44 v1(216.31,28.85) 216.31,27.63 C20#3.2 ; v1(161.96,20.04) 161.76,19.84 159.79,19.84 159.49,19.54 159.06,19.54 158.46,20.13 158.46,21.44 ; v1(252.09,18.94) 251.89,18.74 249.91,18.74 249.61,18.44 249.18,18.44 248.59,19.04 248.59,20.34 ; v1(211.99,37.27) 211.89,37.37 J9#2.12 ; J9#3.15 117.26,39.36 117.16,39.26 114.96,39.26 v1(114.66,38.96) ; v1(35.6,34.26) 35.9,34.56 37.16,34.56 ; 126.65,33.45 127.76,34.56 ; 126.78,34.98 126.78,30.54 v1(126.18,29.95) 126.18,28.72 C20#2.2 ; 216.78,32.35 217.89,33.47 ; v1(25.24,38.86) 25.54,39.16 27.74,39.16 27.84,39.26 J9.15
  L2_3v3+GNDA.Cu w0.2: v1(32.44,38.26) 32.44,37.46 35.6,34.3 v1(35.6,34.26) ; v1(125.02,34.36) 125.02,34.4 121.86,37.56 v1(121.86,38.36) ; v1(215.15,33.27) 215.15,33.31 211.99,36.47 v1(211.99,37.27)
  L3_3v8+GNDA.Cu w0.2: v1(232.69,36.77) 232.29,36.77 231.63,37.43 230.33,37.43 228.29,39.47 228.29,40 227.97,40.32 226.63,40.32 v1(225.29,41.67) ; v1(251.84,25.34) 251.84,19.19 v1(252.09,18.94) ; v1(135.16,42.76) 136.51,41.42 137.84,41.42 138.16,41.09 138.16,40.56 140.2,38.52 141.5,38.52 142.16,37.86 v1(142.56,37.86) ; v1(72.29,26.33) 72.29,20.19 v1(72.54,19.94) ; v1(161.71,26.43) 161.71,20.29 v1(161.96,20.04) ; v1(45.74,42.66) 47.09,41.32 48.42,41.32 48.74,40.99 48.74,40.46 50.78,38.42 52.08,38.42 52.74,37.76 v1(53.14,37.76)
  L5_3v8.Cu w0.2: v1(161.71,26.43) 161.41,26.13 159.59,26.13 158.64,27.09 158.64,31.99 v1(156.67,33.96) 158.81,36.1 158.81,36.42 159.43,37.05 159.96,37.05 160.36,36.65 v1(165.16,36.65) ; v1(211.99,37.27) 211.89,37.17 v1(209.64,37.17) ; v1(30.09,38.16) 32.34,38.16 v1(32.44,38.26) ; v1(255.28,35.56) 250.48,35.56 250.09,35.95 249.56,35.95 248.93,35.33 248.93,35.01 v1(246.8,32.87) 248.76,30.9 248.76,25.99 249.72,25.04 251.54,25.04 v1(251.84,25.34) ; v1(119.52,38.26) 121.76,38.26 v1(121.86,38.36) ; v1(75.73,36.55) 70.94,36.55 70.54,36.95 70.01,36.95 69.38,36.32 69.38,36 v1(67.25,33.86) 69.21,31.89 69.21,26.99 70.17,26.03 71.99,26.03 v1(72.29,26.33)
  L6_GND.Cu w0.18: U8#2.5 249.34,32.47 ; U8.5 69.79,33.46 ; U8#3.5 159.21,33.56
  L6_GND.Cu w0.2: C43#2.2 204.4,38.25 v1(204.79,37.87) ; v1(25.24,38.86) 24.85,39.25 C43.2 ; v1(156.67,33.96) 156.97,33.66 159.11,33.66 159.21,33.56 ; 50.39,37.26 51.39,38.26 52.74,38.26 53.14,37.86 v1(53.14,37.76) ; 229.94,36.27 230.94,37.27 232.29,37.27 232.69,36.87 v1(232.69,36.77) ; v1(142.56,37.86) 142.56,37.96 142.16,38.36 140.81,38.36 139.81,37.36 ; v1(114.66,38.96) 114.28,39.35 C43#3.2 ; v1(67.25,33.86) 67.55,33.56 69.69,33.56 69.79,33.46 ; C72#3.2 139.96,37.15 139.96,35.71 ; v1(165.16,36.65) 165.16,38.48 162.86,40.78 ; C72.2 50.54,37.05 50.54,35.61 ; 252.99,39.68 255.28,37.39 v1(255.28,35.56) ; U6#3.2 U6#3.1 ; U6#2.2 U6#2.1 ; v1(246.8,32.87) 247.1,32.57 249.24,32.57 249.34,32.47 ; C72#2.2 230.09,36.05 230.09,34.62 ; v1(75.73,36.55) 75.73,38.38 73.44,40.68 ; U6.2 U6.1
